# Altium PCB RFSOC_SAWG.PcbDoc (part 2 of 15)
Units mm, origin at the board's own origin, x right, y up, seen from the top; angles counter-clockwise.
Board outline 221.25 x 100 mm, 8 copper layers (Top Layer, Mid-Layer 2, Mid-Layer 3, Mid-Layer 4, Mid-Layer 5, Mid-Layer 6, Mid-Layer 7, Bottom Layer), stack 1.455 mm thick; 1107 components, 833 nets, 3980 pads, 2483 vias.
Unrouted connection lines stored in the file: 1.
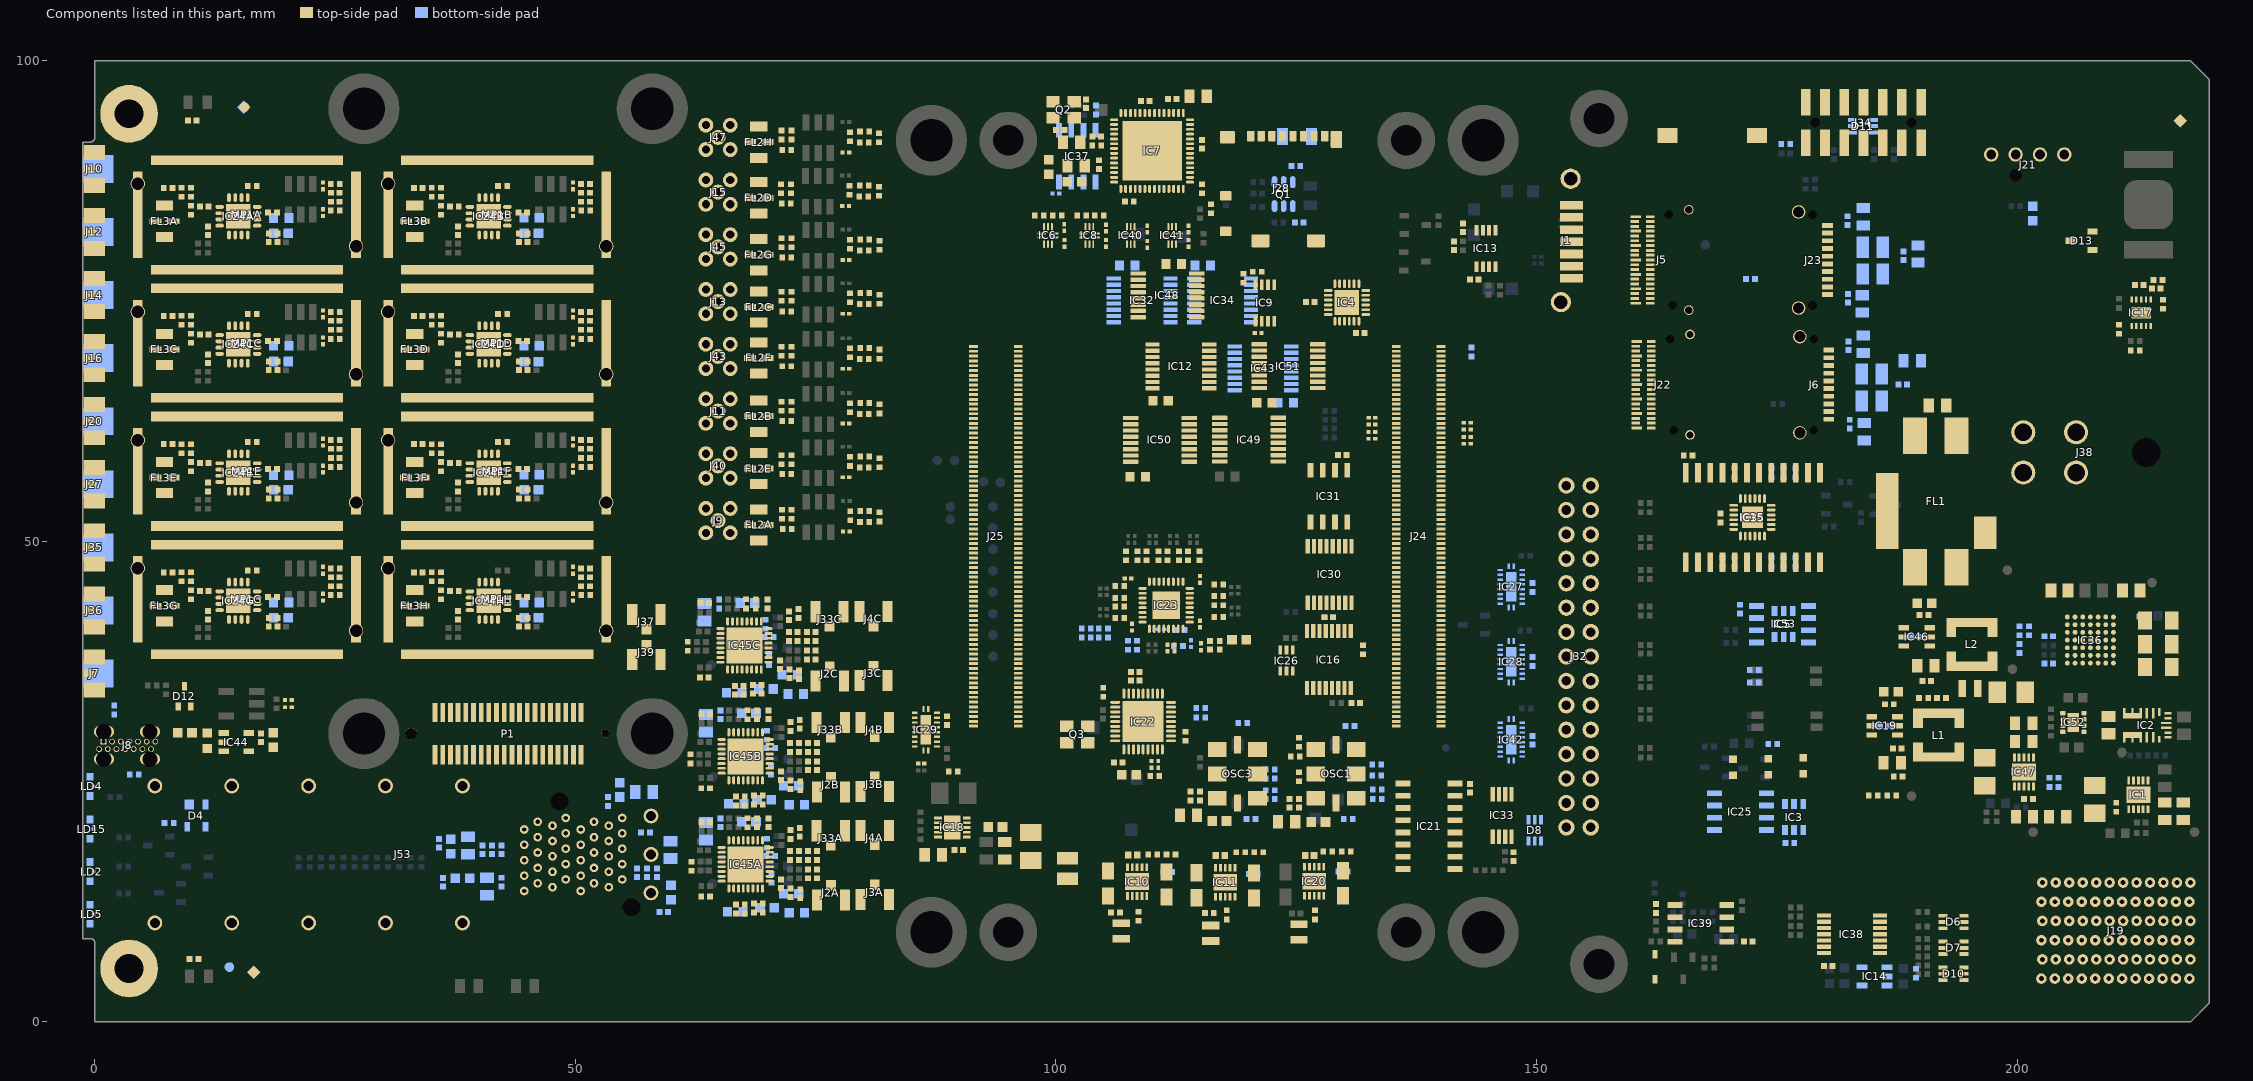
[diagram p8: the components of this part, seen from the top]

## Components (designator, comment, footprint, x,y, rotation, side; value= is the part's Value field where it differs from the comment) (continued)
C62 "22uF" CAPC2012X145N 211.875,44.9 r0 top
C63 "100uF" CAPC3216X190N 214.7,36.925 r0 top
C64 "100uF" CAPC3216X190N 214.7,39.3 r0 top
C65 "100uF" CAPC3216X190N 214.7,41.775 r0 top
C66 "100nF" CAPC1005X55N 203.3,40.125 r180 bottom
C67 "33pF" CAPC1005X55N 213.175,42.175 r180 bottom
C68 "100nF" CAPC1005X55N 214.475,76.325 r0 top
C69 "100pF" CAPC1005X55N 212.725,76.675 r0 top
C70 "22uF" CAPC2012X135N 189.7,79.9 r90 bottom
C71 "100nF" CAPC1005X55N 188.2,79.7 r90 bottom
C72 "22uF" CAPC2012X135N 184.1,61.4 r270 bottom
C73 "100nF" CAPC1005X55N 182.6,62.2 r270 bottom
C74 "22uF" CAPC2012X135N 184,70.5 r270 bottom
C75 "100nF" CAPC1005X55N 182.475,70.35 r270 bottom
C76 "1uF" CAPC1005X55N 162.45,11.8 r270 top
C77 "1uF" CAPC1608X87N 123.925,64.4 r0 bottom
C78 "22uF" CAPC2012X135N 215.383,21.915 r90 top
C79 "22uF" CAPC2012X135N 189.1,68.8 r0 bottom
C80 "100nF" CAPC1005X55N 188.1,66.3 r0 bottom
C81 "22uF" CAPC2012X135N 183.9,74.7 r270 bottom
C82 "100nF" CAPC1005X55N 182.4,75.3 r270 bottom
C83 "22uF" CAPC2012X135N 184.025,83.775 r270 bottom
C84 "100nF" CAPC1005X55N 182.375,83.375 r270 bottom
C85 "1uF" CAPC1608X87N 115.275,78.7 r180 bottom
C86 "22uF" CAPC2012X135N 217.293,21.91 r90 top
C87 "2.2uF" CAPC1005X55N 203.3,37.275 r0 bottom
C88 "100nF" CAPC1005X55N 180.372,5.828 r180 top
C89 "10uF" CAPC2012X95N 191.719,64.127 r0 top
C90 "22uF" CAPMP3528X210N 208.075,23.15 r90 top
C91 "22uF" CAPC2012X145N 209.517,30.879 r270 top
C92 "22uF" CAPC2012X145N 204.425,44.9 r0 top
C93 "10uF" CAPC1608X87N 11.716,29.253 r90 top
C94 "100nF" CAPC1005X55N 17.313,29.578 r90 top
C95 "1uF" CAPC1608X87N 121.7,64.4 r180 top
C96 "1uF" CAPC1608X87N 110.887,64.613 r180 top
C97 "1uF" CAPC1608X87N 112.275,78.85 r0 top
C98 "100nF" CAPC1005X55N 124.972,89.053 r180 bottom
C99 "1uF" CAPC1005X55N 125.325,83.175 r0 bottom
C100 "47uF" CAPC3216X180N 125.075,92.125 r180 bottom
C101 "100nF" CAPC1005X55N 131.675,71.7 r0 top
C102 "100nF" CAPC1005X55N 126.45,74.925 r180 top
C103 "22uF" CAPC1608X90N 18.566,29.328 r90 top
C104 "4.7uF" CAPC2012X135N 114.8,96.325 r180 top
C105 "100nF" CAPC0603X33N 100.875,82.65 r270 top
C106 "100nF" CAPC0603X33N 105.2,82.6 r270 top
C107 "100nF" CAPC0603X33N 100,86.2 r0 bottom
C108 "4.7uF" CAPC2012X135N 101.63,91.52 r0 top
C109 "100nF" CAPC1005X55N 104.26,92.1 r0 top
C110 "4.7uF" CAPC2012X135N 102.1,89.1 r0 top
C111 "100nF" CAPC1005X55N 104.5,89.2 r90 top
C112 "100nF" CAPC0603X33N 109.5,82.5 r270 top
C113 "100nF" CAPC1005X55N 109.3,95.8 r0 top
C114 "100nF" CAPC1005X55N 107.65,85.35 r180 top
C115 "100nF" CAPC1005X55N 112.1,96 r0 top
C116 "100nF" CAPC1005X55N 115.2,91.3 r270 top
C117 "1uF" CAPC1608X87N 107.425,78.7 r180 bottom
C118 "1uF" CAPC1608X87N 108.525,56.7 r180 top
C119 "100nF" CAPC1005X55N 149.6,29.3 r270 bottom
C120A "10pF" CAPC1005X55N 67.175,12.194 r0 top (schematic designator C120)
C120B "10pF" CAPC1005X55N 67.175,23.435 r0 top (schematic designator C120)
C120C "10pF" CAPC1005X55N 67.047,34.968 r0 top (schematic designator C120)
C121A "1uF" CAPC1005X55N 73.4,13.344 r90 top (schematic designator C121)
C121B "1uF" CAPC1005X55N 73.4,24.585 r90 top (schematic designator C121)
C121C "1uF" CAPC1005X55N 73.272,36.118 r90 top (schematic designator C121)
C122A "1nF" CAPC1005X55N 72.391,13.448 r90 top (schematic designator C122)
C122B "1nF" CAPC1005X55N 72.391,24.689 r90 top (schematic designator C122)
C122C "1nF" CAPC1005X55N 72.262,36.222 r90 top (schematic designator C122)
C123A "1nF" CAPC1005X55N 74.675,14.944 r0 top (schematic designator C123)
C123B "1nF" CAPC1005X55N 74.675,26.185 r0 top (schematic designator C123)
C123C "1nF" CAPC1005X55N 74.547,37.718 r0 top (schematic designator C123)
C124A "1nF" CAPC1005X55N 74.675,15.869 r0 top (schematic designator C124)
C124B "1nF" CAPC1005X55N 74.675,27.11 r0 top (schematic designator C124)
C124C "1nF" CAPC1005X55N 74.547,38.643 r0 top (schematic designator C124)
C125A "1nF" CAPC1005X55N 74.675,16.844 r0 top (schematic designator C125)
C125B "1nF" CAPC1005X55N 74.675,28.085 r0 top (schematic designator C125)
C125C "1nF" CAPC1005X55N 74.547,39.618 r0 top (schematic designator C125)
C126A "1nF" CAPC1005X55N 74.675,17.794 r0 top (schematic designator C126)
C126B "1nF" CAPC1005X55N 74.675,29.035 r0 top (schematic designator C126)
C126C "1nF" CAPC1005X55N 74.547,40.568 r0 top (schematic designator C126)
C127A "10pF" CAPC1005X55N 71.4,14.369 r90 top (schematic designator C127)
C127B "10pF" CAPC1005X55N 71.4,25.61 r90 top (schematic designator C127)
C127C "10pF" CAPC1005X55N 71.272,37.143 r90 top (schematic designator C127)
C128A "1nF" CAPC1005X55N 68.9,20.709 r270 top (schematic designator C128)
C128B "1nF" CAPC1005X55N 68.9,31.95 r270 top (schematic designator C128)
C128C "1nF" CAPC1005X55N 68.772,43.483 r270 top (schematic designator C128)
C129A "10pF" CAPC1005X55N 69.05,12.294 r180 top (schematic designator C129)
C129B "10pF" CAPC1005X55N 69.05,23.535 r180 top (schematic designator C129)
C129C "10pF" CAPC1005X55N 68.922,35.068 r180 top (schematic designator C129)
C130A "10uF" CAPC1608X80N 69.96,11.857 r180 bottom (schematic designator C130)
C130B "10uF" CAPC1608X80N 69.646,23.123 r180 bottom (schematic designator C130)
C130C "10uF" CAPC1608X80N 69.832,34.631 r180 bottom (schematic designator C130)
C131A "10pF" CAPC1005X55N 70.1,20.709 r270 top (schematic designator C131)
C131B "10pF" CAPC1005X55N 70.1,31.95 r270 top (schematic designator C131)
C131C "10pF" CAPC1005X55N 69.972,43.483 r270 top (schematic designator C131)
C132 "27pF" CAPC1005X55N 10.15,93.775 r0 top
C133 "27pF" CAPC1005X55N 10.319,6.527 r0 top
C134 "100nF" CAPC0603X33N 113.8,82.5 r270 top
C135 "100nF" CAPC0603X33N 113.8,81 r90 top
C136 "100nF" CAPC1005X55N 186.215,30.81 r0 bottom
C137 "100nF" CAPC1005X55N 186.725,33.05 r0 top
C138 "100nF" CAPC1005X55N 187.526,28.445 r0 top
C139A "1uF" CAPC1005X55N 65.1,20.71 r270 bottom (schematic designator C139)
C139B "1uF" CAPC1005X55N 65.1,31.951 r270 bottom (schematic designator C139)
C139C "1uF" CAPC1005X55N 64.972,43.484 r270 bottom (schematic designator C139)
C140 "22uF" CAPC2012X135N 187.025,26.95 r0 top
C141 "100nF" CAPC1005X55N 189.468,40.05 r0 bottom
C142 "10uF" CAPC1608X80N 190.375,43.55 r0 top
C143 "100nF" CAPC1005X55N 190.325,42.35 r0 top
C144 "100nF" CAPC1005X55N 190.618,35.475 r0 top
C145 "22uF" CAPC2012X135N 190.525,37.075 r0 top
C146 "100nF" CAPC1005X55N 201.2,23.175 r0 top
C147 "100nF" CAPC1005X55N 89.9,17.9 r180 top
C148 "22uF" CAPC2012X135N 94.675,17.8 r270 top
C149 "22uF" CAPC2012X135N 87.25,17.4 r180 bottom
C150 "22uF" CAPC2012X135N 87.25,17.4 r180 top
C151 "22uF" CAPMP3528X210N 97.375,18.25 r270 top
C152 "22uF" CAPC2012X135N 200.7,29.175 r180 top
C153 "22uF" CAPC2012X135N 200.775,21.325 r180 top
C154 "22uF" CAPC2012X135N 204.225,21.323 r0 top
C155 "100nF" CAPC1005X55N 172.05,8.375 r180 top
C156 "22uF" CAPMP3528X210N 199.4,34.3 r0 top
C157 "22uF" CAPC2012X135N 200.7,31.05 r0 top
C158 "22uF" CAPMP3528X210N 196.65,26.025 r90 top
C159 "100nF" CAPC1005X55N 143.1,24.3 r90 top
C160 "100nF" CAPC1005X55N 108.25,36.4 r0 top
C161 "100pF" CAPC1005X55N 214.675,77.175 r180 top
C167 "100nF" CAPC0603X33N 20.134,33.482 r0 top
C168 "100nF" CAPC0603X33N 20.134,32.732 r0 top
C170A "1nF" CAPC1005X55N 72.8,16.844 r0 top (schematic designator C170)
C170B "1nF" CAPC1005X55N 72.8,28.085 r0 top (schematic designator C170)
C170C "1nF" CAPC1005X55N 72.672,39.618 r0 top (schematic designator C170)
C171A "1nF" CAPC1005X55N 72.8,17.794 r0 top (schematic designator C171)
C171B "1nF" CAPC1005X55N 72.8,29.035 r0 top (schematic designator C171)
C171C "1nF" CAPC1005X55N 72.672,40.568 r0 top (schematic designator C171)
C172A "10pF" CAPC1005X55N 63.58,20.804 r0 top (schematic designator C172)
C172B "10pF" CAPC1005X55N 63.58,32.044 r0 top (schematic designator C172)
C172C "10pF" CAPC1005X55N 63.452,43.578 r0 top (schematic designator C172)
C173A "4.7uF" CAPC1608X80N 68.05,20.809 r180 bottom (schematic designator C173)
C173B "4.7uF" CAPC1608X80N 68.05,32.1 r180 bottom (schematic designator C173)
C173C "4.7uF" CAPC1608X80N 67.922,43.583 r180 bottom (schematic designator C173)
C174A "10pF" CAPC1005X55N 63.55,13.069 r0 top (schematic designator C174)
C174B "10pF" CAPC1005X55N 63.55,24.31 r0 top (schematic designator C174)
C174C "10pF" CAPC1005X55N 63.422,35.843 r0 top (schematic designator C174)
C175A "1uF" CAPC1005X55N 72.375,19.494 r270 top (schematic designator C175)
C175B "1uF" CAPC1005X55N 72.375,30.735 r270 top (schematic designator C175)
C175C "1uF" CAPC1005X55N 72.247,42.268 r270 top (schematic designator C175)
C176A "100nF" CAPC1005X55N 73.35,19.719 r270 top (schematic designator C176)
C176B "100nF" CAPC1005X55N 73.35,30.96 r270 top (schematic designator C176)
C176C "100nF" CAPC1005X55N 73.222,42.493 r270 top (schematic designator C176)
C177A "100nF" CAPC1005X55N 67.175,11.269 r0 top (schematic designator C177)
C177B "100nF" CAPC1005X55N 67.175,22.51 r0 top (schematic designator C177)
C177C "100nF" CAPC1005X55N 67.047,34.044 r0 top (schematic designator C177)
C178 "1uF" CAPC1005X55N 36.225,14.525 r90 bottom
C179 "10uF" CAPC2012X95N 38.85,18.35 r270 bottom
C180 "100nF" CAPC1005X55N 131.2,33.2 r180 top
C181 "100nF" CAPC1005X55N 35.8,18.575 r90 bottom
C182 "100nF" CAPC1005X55N 41.325,17.9 r270 bottom
C183 "100nF" CAPC1005X55N 42.3,17.9 r270 bottom
C184 "10uF" CAPC2012X95N 40.8,14.075 r90 bottom
C185 "100nF" CAPC1005X55N 42.299,14.548 r90 bottom
C186 "100pF" CAPC1005X55N 142.35,82.642 r270 top
C187 "100nF" CAPC0603X33N 114.068,39.358 r270 bottom
C188 "100nF" CAPC0603X33N 111.625,38.9 r90 top
C189 "100nF" CAPC0603X33N 112.35,38.9 r90 top
C190 "1uF" CAPC1005X55N 117.05,39.2 r90 top
C191 "100nF" CAPC0603X33N 107.5,46.125 r0 top
C192 "100nF" CAPC1005X55N 141.425,80.75 r270 top
C193 "100nF" CAPC1005X55N 143.525,77.25 r0 top
C196 "100nF" CAPC1005X55N 169.15,52.425 r90 top
C197 "100nF" CAPC1005X55N 165.775,58.925 r180 top
C198 "100nF" CAPC1005X55N 171.176,42.953 r90 bottom
C199A "100nF" CAPC1005X55N 69.05,11.397 r180 top (schematic designator C199)
C199B "100nF" CAPC1005X55N 69.05,22.638 r180 top (schematic designator C199)
C199C "100nF" CAPC1005X55N 68.922,34.171 r180 top (schematic designator C199)
C200 "10uF" CAPC1005X70N 126.4,17.3 r180 top
C201 "10uF" CAPC1608X80N 186.883,34.329 r0 top
C202 "22uF" CAPMP3216X180N 114.625,14.225 r90 top
C203 "4.7uF" CAPC1005X55N 115.975,11.35 r0 top
C204 "10uF" CAPC1005X70N 117.1,17.3 r180 top
C206 "100nF" CAPC1005X55N 187.625,25.55 r0 top
C207 "22pF" CAPC1005X55N 103.155,95.516 r270 top
C208 "22pF" CAPC1005X55N 100.462,92.78 r0 top
C209 "22uF" CAPMP3216X180N 129.875,14.425 r270 top
C210 "22uF" CAPMP3216X180N 120.625,14.2 r270 top
C212 "100nF" CAPC0603X33N 109.95,26.8 r90 top
C213 "22uF" CAPMP3216X180N 105.425,14.4 r90 top
C214 "100nF" CAPC0603X33N 110.65,26.8 r90 top
C215 "100nF" CAPC0603X33N 110.925,40.85 r0 bottom
C216 "100nF" CAPC0603X33N 100.9,81 r90 top
C217 "100nF" CAPC0603X33N 105.2,81 r90 top
C218 "100nF" CAPC0603X33N 121.046,71.673 r0 top
C219 "100nF" CAPC1005X55N 176.375,18.625 r180 bottom
C220 "100nF" CAPC0603X33N 109.5,80.9 r90 top
C221 "1nF" CAPC1005X55N 128.4,42.1 r0 top
C222 "100nF" CAPC1005X55N 128.379,42.1 r0 bottom
C223 "100nF" CAPC1005X55N 149.6,45.2 r270 bottom
C224 "100nF" CAPC1005X55N 149.6,37.5 r270 bottom
C225 "100nF" CAPC1005X55N 88.675,31.35 r270 top
C226 "100nF" CAPC1005X55N 129.8,59 r0 top
C228 "1nF" CAPC1005X55N 106.5,27 r0 top
C229 "1uF" CAPC1005X55N 108.25,35.5 r0 top
C234 "100nF" CAPC0603X33N 115,46.05 r270 top
C237 "1nF" CAPC1005X55N 125.3,22.75 r270 top
C238A "100nF" CAPC0603X33N 78.191,51.01 r0 top (schematic designator C238)
C238B "100nF" CAPC0603X33N 78.165,62.248 r0 top (schematic designator C238)
C238C "100nF" CAPC0603X33N 78.165,73.678 r0 top (schematic designator C238)
C238D "100nF" CAPC0603X33N 78.116,84.884 r0 top (schematic designator C238)
C238E "100nF" CAPC0603X33N 78.165,56.66 r0 top (schematic designator C238)
C238F "100nF" CAPC0603X33N 78.165,67.963 r0 top (schematic designator C238)
C238G "100nF" CAPC0603X33N 78.165,79.266 r0 top (schematic designator C238)
C238H "100nF" CAPC0603X33N 78.154,90.461 r0 top (schematic designator C238)
C239 "100nF" CAPC0603X33N 107.925,41.075 r90 top
C241 "100nF" CAPC0603X33N 115,41.4 r90 top
C242 "470nF" CAPC0603X33N 115.103,39.032 r90 top
C243 "22pF" CAPC1005X55N 116.05,39.2 r90 top
C245 "100nF" CAPC1005X55N 147.6,17.2 r90 top
C246 "100nF" CAPC0603X33N 142.798,60.158 r180 top
C247 "100nF" CAPC0603X33N 142.798,60.858 r180 top
C248 "100nF" CAPC0603X33N 132.878,60.666 r0 top
C249 "100nF" CAPC0603X33N 132.878,61.375 r0 top
C250 "100nF" CAPC0603X33N 142.798,61.64 r180 top
C251 "100nF" CAPC0603X33N 142.798,62.34 r180 top
C252 "100nF" CAPC0603X33N 132.894,62.163 r0 top
C253 "100nF" CAPC0603X33N 132.894,62.863 r0 top
C258 "100nF" CAPC1005X55N 53.375,22.925 r90 bottom
C259 "1uF" CAPC1005X55N 59.2,11.425 r0 bottom
C260 "10uF" CAPC2012X95N 59.9,17.9 r270 bottom
C261 "1uF" CAPC1005X55N 56.4,15.525 r90 bottom
C262 "100nF" CAPC1005X55N 57.45,15.525 r90 bottom
C263 "100nF" CAPC1005X55N 58.475,15.525 r90 bottom
C264 "10uF" CAPC2012X95N 57.15,23.9 r180 bottom
C265 "100nF" CAPC1005X55N 57.3,19.7 r180 bottom
C278 "4.7uF" CAPC1005X55N 106.2,11.4 r0 top
C279 "10uF" CAPC1005X70N 107.997,17.362 r180 top
C286 "22uF" CAPMP3216X180N 111.525,14.3 r270 top
C287 "1nF" CAPC1005X55N 124.3,22.75 r270 top
C288 "4.7uF" CAPC2012X135N 124,20.8 r0 top
C289 "4.7uF" CAPC2012X135N 113.8,21.5 r0 top
C290 "1nF" CAPC1005X55N 114,23.5 r270 top
C291 "1nF" CAPC1005X55N 115,23.5 r270 top
C314A "100pF" CAPC1005X55N 19,81.6 r270 top (schematic designator C314)
C314B "100pF" CAPC1005X55N 45.035,81.6 r270 top (schematic designator C314)
C314C "100pF" CAPC1005X55N 19,68.265 r270 top (schematic designator C314)
C314D "100pF" CAPC1005X55N 45.035,68.265 r270 top (schematic designator C314)
C314E "100pF" CAPC1005X55N 19,54.93 r270 top (schematic designator C314)
C314F "100pF" CAPC1005X55N 45.035,54.93 r270 top (schematic designator C314)
C314G "100pF" CAPC1005X55N 19,41.595 r270 top (schematic designator C314)
C314H "100pF" CAPC1005X55N 45.035,41.595 r270 top (schematic designator C314)
C315A "10uF" CAPC1608X80N 19.384,82.04 r180 bottom (schematic designator C315)
C315B "10uF" CAPC1608X80N 45.419,82.04 r180 bottom (schematic designator C315)
C315C "10uF" CAPC1608X80N 19.384,68.705 r180 bottom (schematic designator C315)
C315D "10uF" CAPC1608X80N 45.419,68.68 r180 bottom (schematic designator C315)
C315E "10uF" CAPC1608X80N 19.384,55.37 r180 bottom (schematic designator C315)
C315F "10uF" CAPC1608X80N 45.419,55.37 r180 bottom (schematic designator C315)
C315G "10uF" CAPC1608X80N 19.384,42.035 r180 bottom (schematic designator C315)
C315H "10uF" CAPC1608X80N 45.419,42.035 r180 bottom (schematic designator C315)
C316A "100nF" CAPC1005X55N 18.1,81.6 r90 top (schematic designator C316)
C316B "100nF" CAPC1005X55N 44.135,81.6 r90 top (schematic designator C316)
C316C "100nF" CAPC1005X55N 18.1,68.265 r90 top (schematic designator C316)
C316D "100nF" CAPC1005X55N 44.135,68.265 r90 top (schematic designator C316)
C316E "100nF" CAPC1005X55N 18.1,54.93 r90 top (schematic designator C316)
C316F "100nF" CAPC1005X55N 44.135,54.93 r90 top (schematic designator C316)
C316G "100nF" CAPC1005X55N 18.1,41.595 r90 top (schematic designator C316)
C316H "100nF" CAPC1005X55N 44.135,41.595 r90 top (schematic designator C316)
C317A "10nF" CAPC1005X55N 11.383,84.834 r180 top (schematic designator C317)
C317B "10nF" CAPC1005X55N 37.418,84.834 r180 top (schematic designator C317)
C317C "10nF" CAPC1005X55N 11.383,71.499 r180 top (schematic designator C317)
C317D "10nF" CAPC1005X55N 37.418,71.499 r180 top (schematic designator C317)
C317E "10nF" CAPC1005X55N 11.383,58.164 r180 top (schematic designator C317)
C317F "10nF" CAPC1005X55N 37.418,58.164 r180 top (schematic designator C317)
C317G "10nF" CAPC1005X55N 11.383,44.829 r180 top (schematic designator C317)
C317H "10nF" CAPC1005X55N 37.418,44.829 r180 top (schematic designator C317)
C318A "10nF" CAPC1005X55N 7.625,86.775 r180 top (schematic designator C318)
C318B "10nF" CAPC1005X55N 33.66,86.775 r180 top (schematic designator C318)
C318C "10nF" CAPC1005X55N 7.625,73.44 r180 top (schematic designator C318)
C318D "10nF" CAPC1005X55N 33.66,73.44 r180 top (schematic designator C318)
C318E "10nF" CAPC1005X55N 7.625,60.105 r180 top (schematic designator C318)
C318F "10nF" CAPC1005X55N 33.66,60.105 r180 top (schematic designator C318)
C318G "10nF" CAPC1005X55N 7.625,46.77 r180 top (schematic designator C318)
C318H "10nF" CAPC1005X55N 33.66,46.77 r180 top (schematic designator C318)
C319A "10nF" CAPC1005X55N 18.495,84.199 r180 top (schematic designator C319)
C319B "10nF" CAPC1005X55N 44.53,84.199 r180 top (schematic designator C319)
C319C "10nF" CAPC1005X55N 18.495,70.864 r180 top (schematic designator C319)
C319D "10nF" CAPC1005X55N 44.53,70.864 r180 top (schematic designator C319)
C319E "10nF" CAPC1005X55N 18.495,57.529 r180 top (schematic designator C319)
C319F "10nF" CAPC1005X55N 44.53,57.529 r180 top (schematic designator C319)
C319G "10nF" CAPC1005X55N 18.495,44.194 r180 top (schematic designator C319)
C319H "10nF" CAPC1005X55N 44.53,44.194 r180 top (schematic designator C319)
C320A "100nF" CAPC0603X33N 23.727,84.199 r270 top (schematic designator C320)
C320B "100nF" CAPC0603X33N 49.762,84.199 r270 top (schematic designator C320)
C320C "100nF" CAPC0603X33N 23.727,70.864 r270 top (schematic designator C320)
C320D "100nF" CAPC0603X33N 49.762,70.864 r270 top (schematic designator C320)
C320E "100nF" CAPC0603X33N 23.727,57.529 r270 top (schematic designator C320)
C320F "100nF" CAPC0603X33N 49.762,57.529 r270 top (schematic designator C320)
C320G "100nF" CAPC0603X33N 23.727,44.194 r270 top (schematic designator C320)
C320H "100nF" CAPC0603X33N 49.762,44.194 r270 top (schematic designator C320)
C321A "100nF" CAPC0603X33N 23.727,86.993 r90 top (schematic designator C321)
C321B "100nF" CAPC0603X33N 49.762,86.993 r90 top (schematic designator C321)
C321C "100nF" CAPC0603X33N 23.727,73.658 r90 top (schematic designator C321)
C321D "100nF" CAPC0603X33N 49.762,73.658 r90 top (schematic designator C321)
C321E "100nF" CAPC0603X33N 23.727,60.323 r90 top (schematic designator C321)
C321F "100nF" CAPC0603X33N 49.762,60.323 r90 top (schematic designator C321)
C321G "100nF" CAPC0603X33N 23.727,46.988 r90 top (schematic designator C321)
C321H "100nF" CAPC0603X33N 49.762,46.988 r90 top (schematic designator C321)
C322A "10nF" CAPC1005X55N 11.764,82.321 r270 top (schematic designator C322)
C322B "10nF" CAPC1005X55N 37.799,82.321 r270 top (schematic designator C322)
C322C "10nF" CAPC1005X55N 11.764,68.986 r270 top (schematic designator C322)
C322D "10nF" CAPC1005X55N 37.799,68.986 r270 top (schematic designator C322)
C322E "10nF" CAPC1005X55N 11.764,55.651 r270 top (schematic designator C322)
C322F "10nF" CAPC1005X55N 37.799,55.651 r270 top (schematic designator C322)
C322G "10nF" CAPC1005X55N 11.764,42.316 r270 top (schematic designator C322)
C322H "10nF" CAPC1005X55N 37.799,42.316 r270 top (schematic designator C322)
C323 "1uF" CAPC1005X55N 40.35,17.9 r270 bottom
D3 "Green" LED_KINGBRIGHT_KPH-1608CGCK 177.75,26.65 r90 top
D4 "PRTR5V0U2X" SOT190P230X110-4N 10.581,21.473 r270 bottom
D6 "PESD3V3L5UY" SOT65P210X110-6N 193.4,10.4 r180 top
D7 "PESD3V3L5UY" SOT65P210X110-6N 193.4,7.7 r180 top
D8 "PESD3V3L5UY" SOT65P210X110-6N 149.825,19.925 r270 bottom
D9 "BAT165" SOD2512X110N 162.35,5.75 r90 top
D10 "PESD3V3L5UY" SOT65P210X110-6N 193.4,5 r180 top
D11 "PESD3V3L5UY" SOT65P210X110-6N 183.975,93.2 r180 bottom
D12 "BAS70-04W" SOT65P210X110-3N 9.325,33.875 r90 top
D13 "BAR43C" SOT95P240X130-3N 206.725,81.275 r180 top
FL1 "10A/50VDC" FIL_MURATA_BNX02 191.6,54.15 r270 top
FL2A "DC to 1575MHz" FIL_MINI-CIRCUITS_FV1206 69.089,51.7 r270 top (schematic designator FL2)
FL2B "DC to 1575MHz" FIL_MINI-CIRCUITS_FV1206 69.089,63.025 r270 top (schematic designator FL2)
FL2C "DC to 1575MHz" FIL_MINI-CIRCUITS_FV1206 69.089,74.375 r270 top (schematic designator FL2)
FL2D "DC to 1575MHz" FIL_MINI-CIRCUITS_FV1206 69.089,85.739 r270 top (schematic designator FL2)
FL2E "DC to 1575MHz" FIL_MINI-CIRCUITS_FV1206 69.089,57.575 r270 top (schematic designator FL2)
FL2F "DC to 1575MHz" FIL_MINI-CIRCUITS_FV1206 69.089,69.076 r270 top (schematic designator FL2)
FL2G "DC to 1575MHz" FIL_MINI-CIRCUITS_FV1206 69.089,79.825 r270 top (schematic designator FL2)
FL2H "DC to 1575MHz" FIL_MINI-CIRCUITS_FV1206 69.089,91.532 r270 top (schematic designator FL2)
FL3A "DC to 3000MHz" FIL_MINI-CIRCUITS_FV1206 7.25,83.3 r270 top (schematic designator FL3)
FL3B "DC to 3000MHz" FIL_MINI-CIRCUITS_FV1206 33.285,83.3 r270 top (schematic designator FL3)
FL3C "DC to 3000MHz" FIL_MINI-CIRCUITS_FV1206 7.25,69.965 r270 top (schematic designator FL3)
FL3D "DC to 3000MHz" FIL_MINI-CIRCUITS_FV1206 33.285,69.965 r270 top (schematic designator FL3)
FL3E "DC to 3000MHz" FIL_MINI-CIRCUITS_FV1206 7.25,56.63 r270 top (schematic designator FL3)
FL3F "DC to 3000MHz" FIL_MINI-CIRCUITS_FV1206 33.285,56.63 r270 top (schematic designator FL3)
FL3G "DC to 3000MHz" FIL_MINI-CIRCUITS_FV1206 7.25,43.295 r270 top (schematic designator FL3)
FL3H "DC to 3000MHz" FIL_MINI-CIRCUITS_FV1206 33.285,43.295 r270 top (schematic designator FL3)
FTG1 "Use only in PCB" FIDUCIAL_TOP_C100-200 15.575,95.175 r90 top